# Altium PCB CableNodeRevF Export in PCB ASCII Format.PcbDoc (part 1 of 4)
Units mil, origin at the board's own origin, x right, y up, seen from the top; angles counter-clockwise.
Board outline 3393.33 x 4682.75 mil, 4 copper layers (Top Layer, Internal Plane 1, Internal Plane 2, Bottom Layer); 163 components, 86 nets, 408 pads, 182 vias.
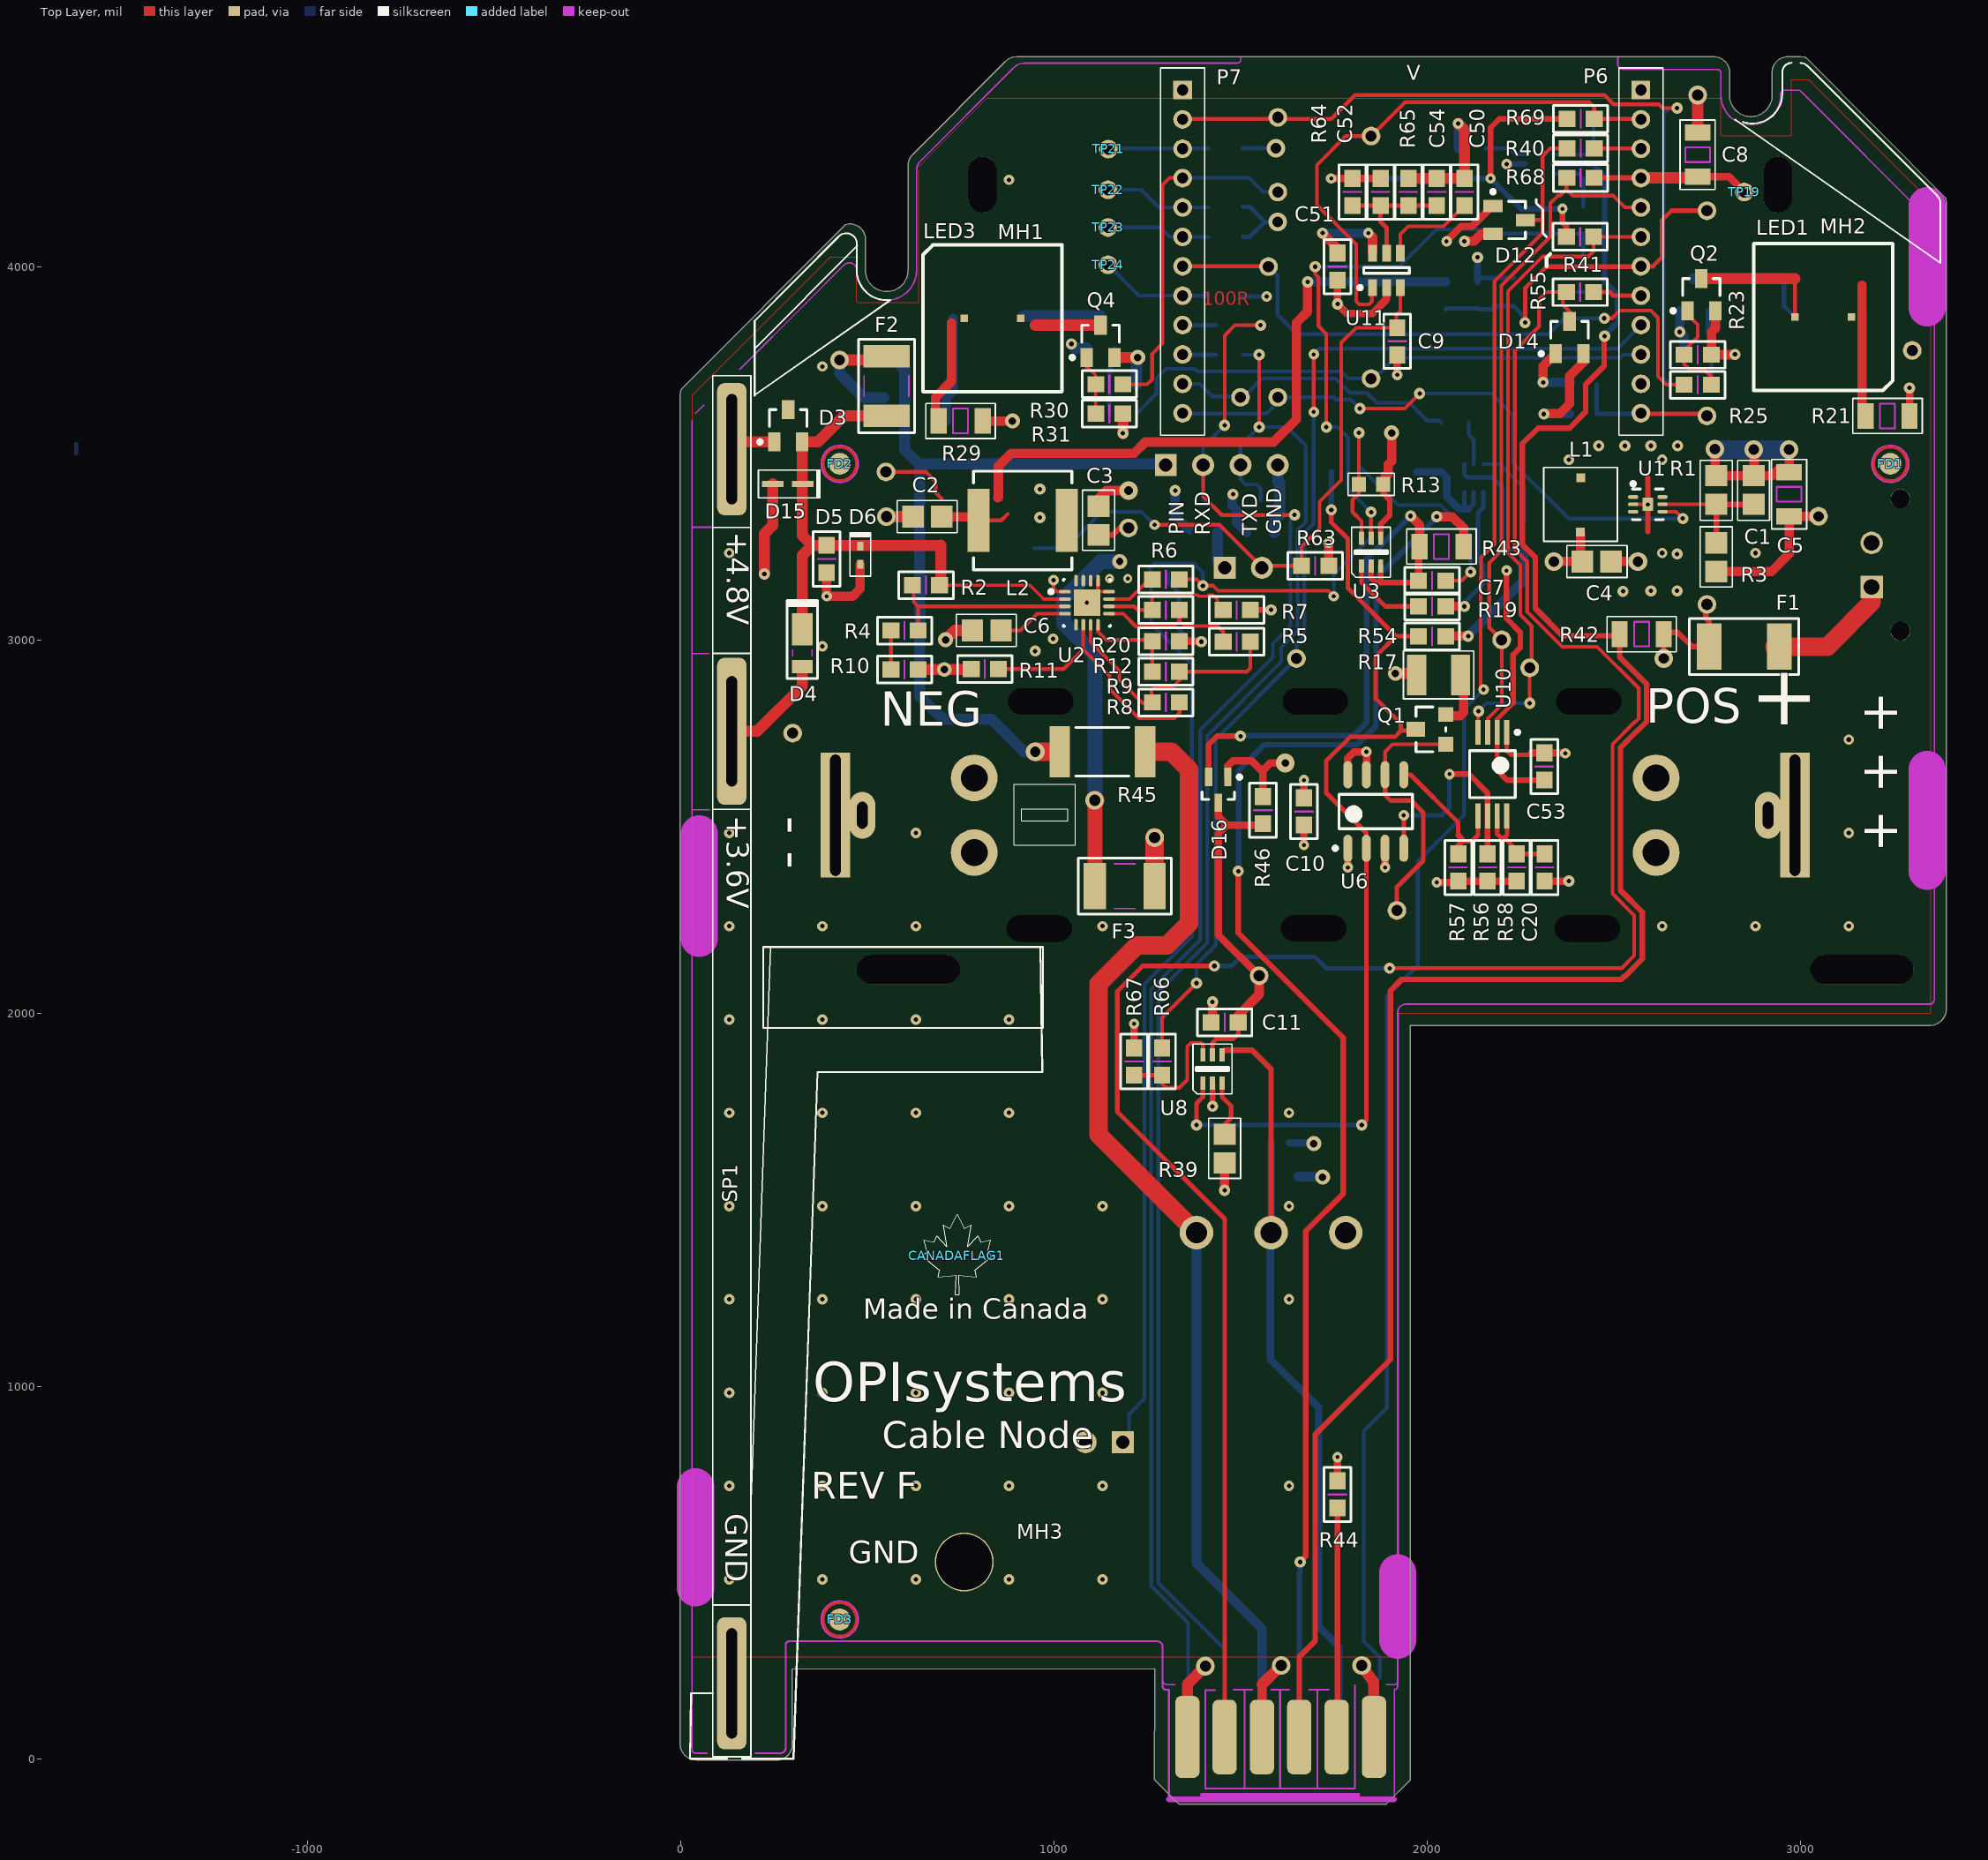
[diagram p0: Top Layer view]
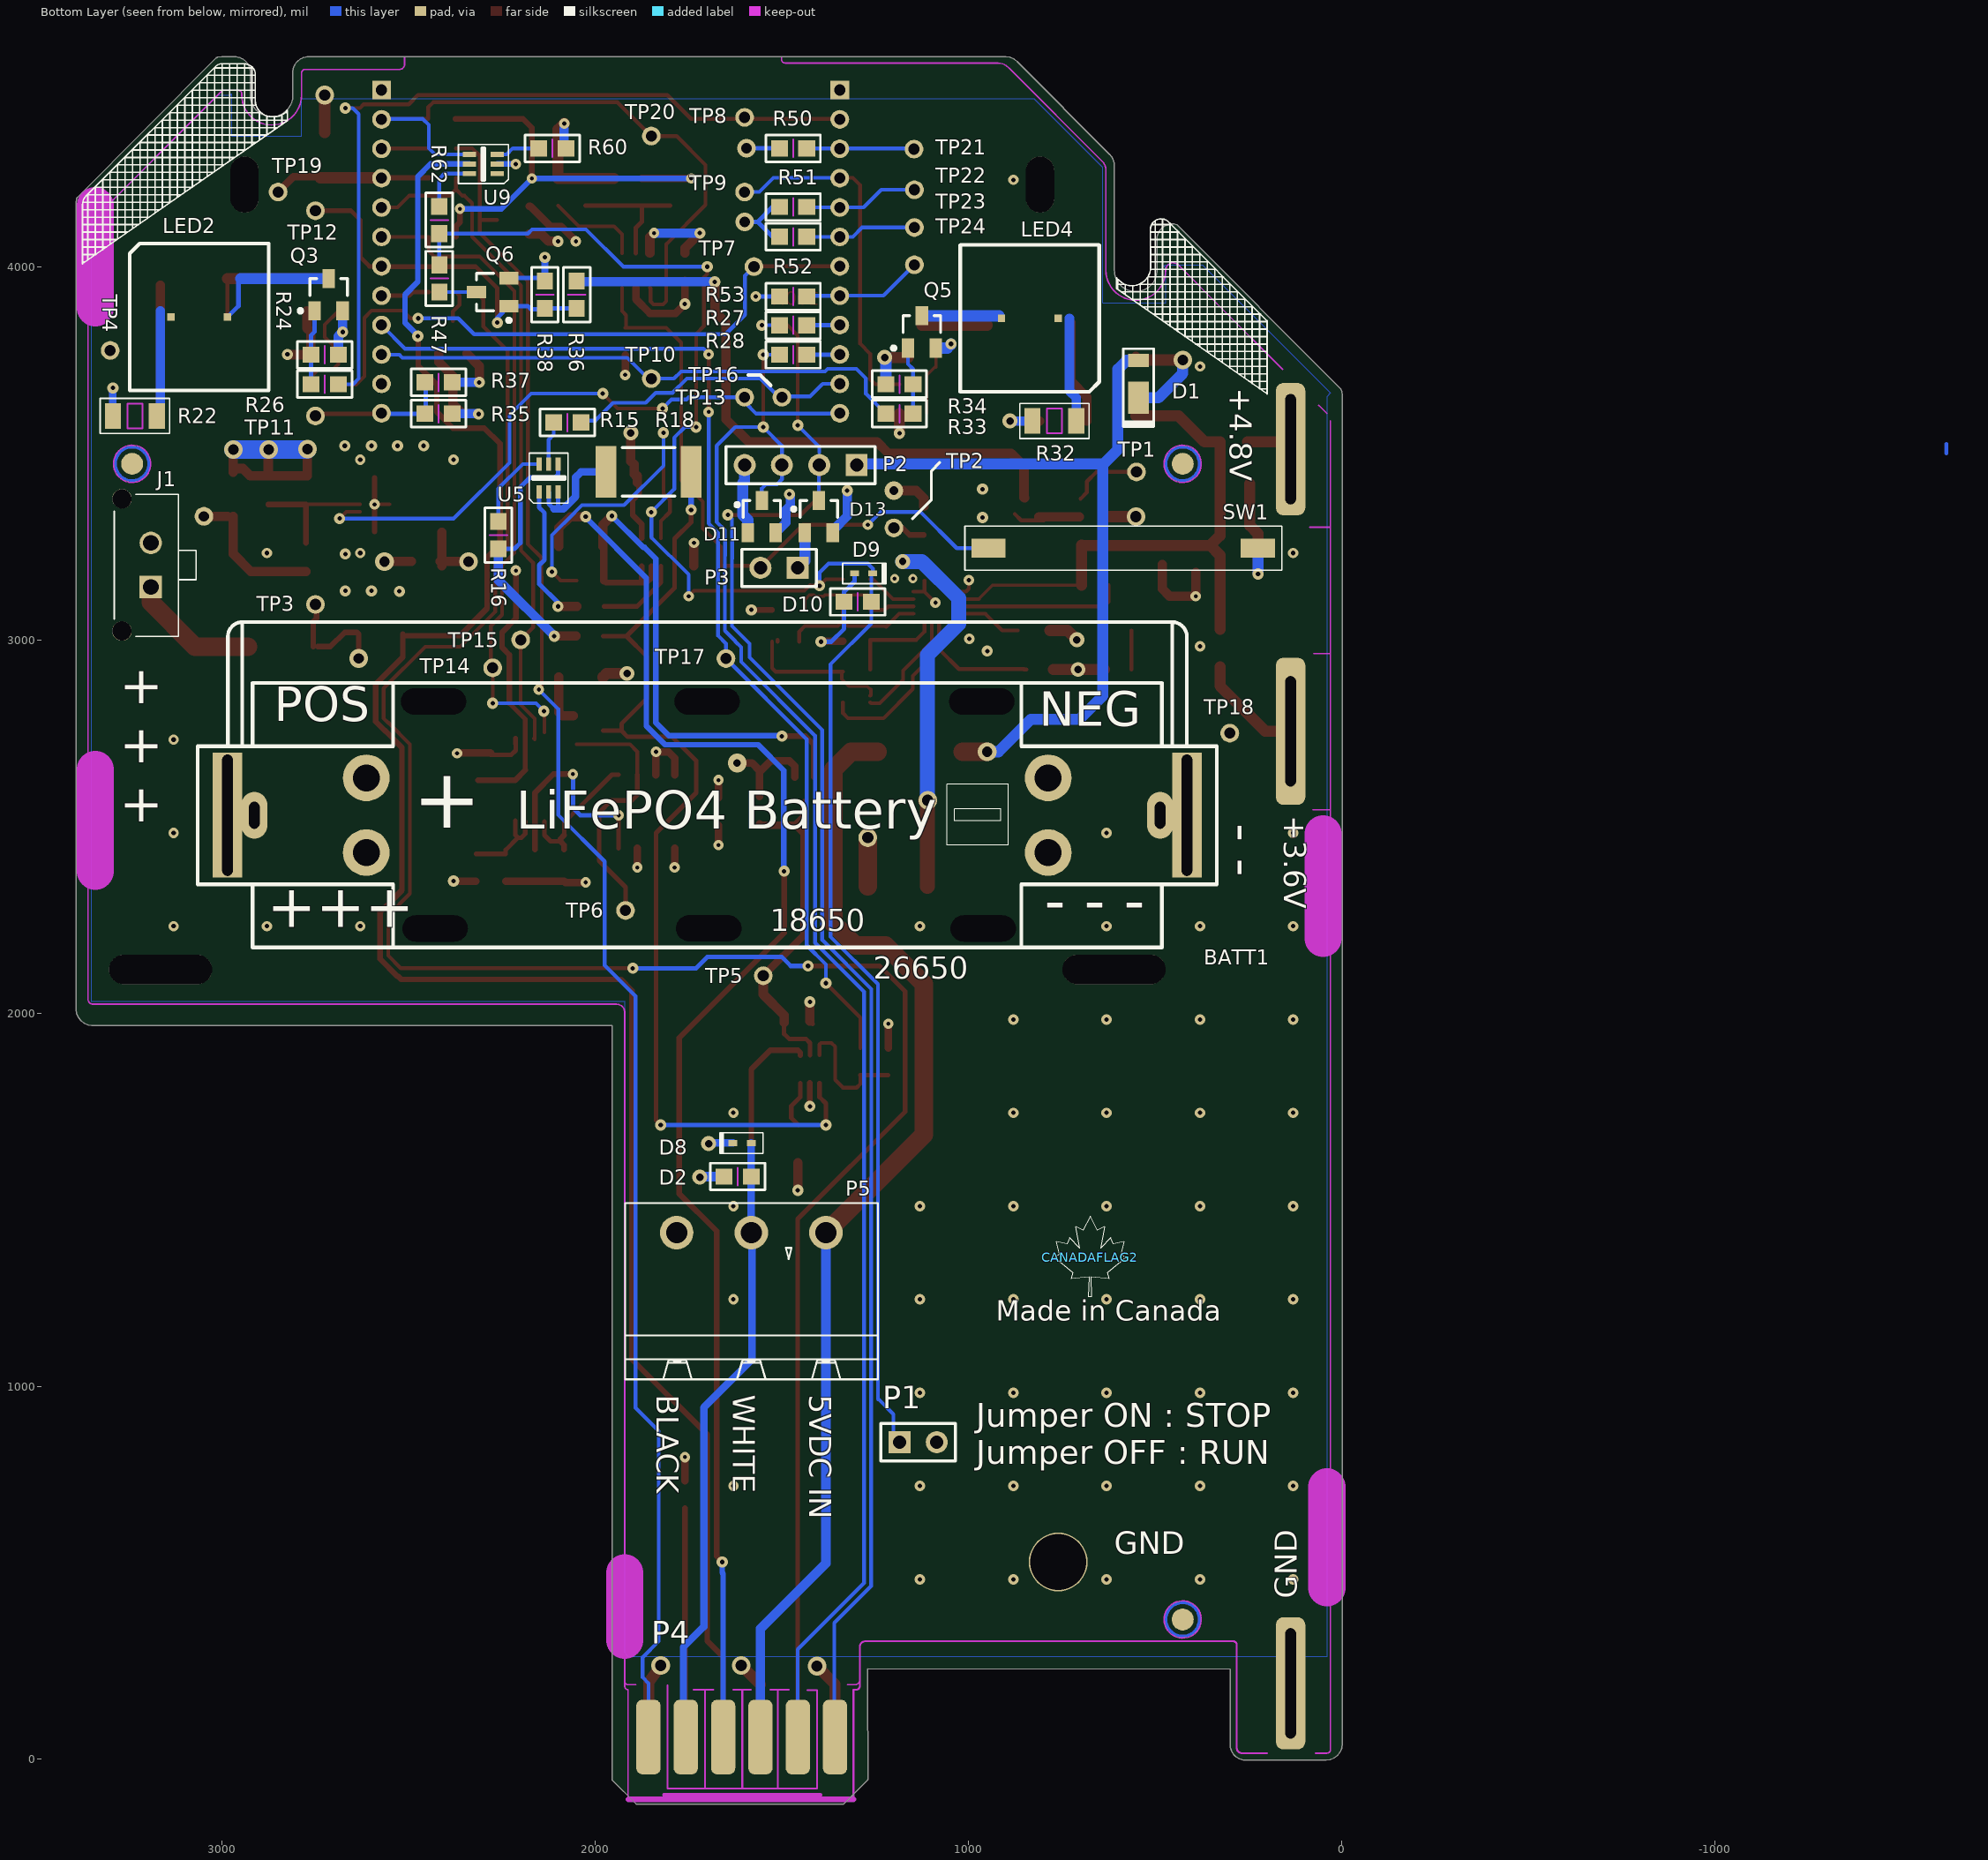
[diagram p1: Bottom Layer view, seen from below]
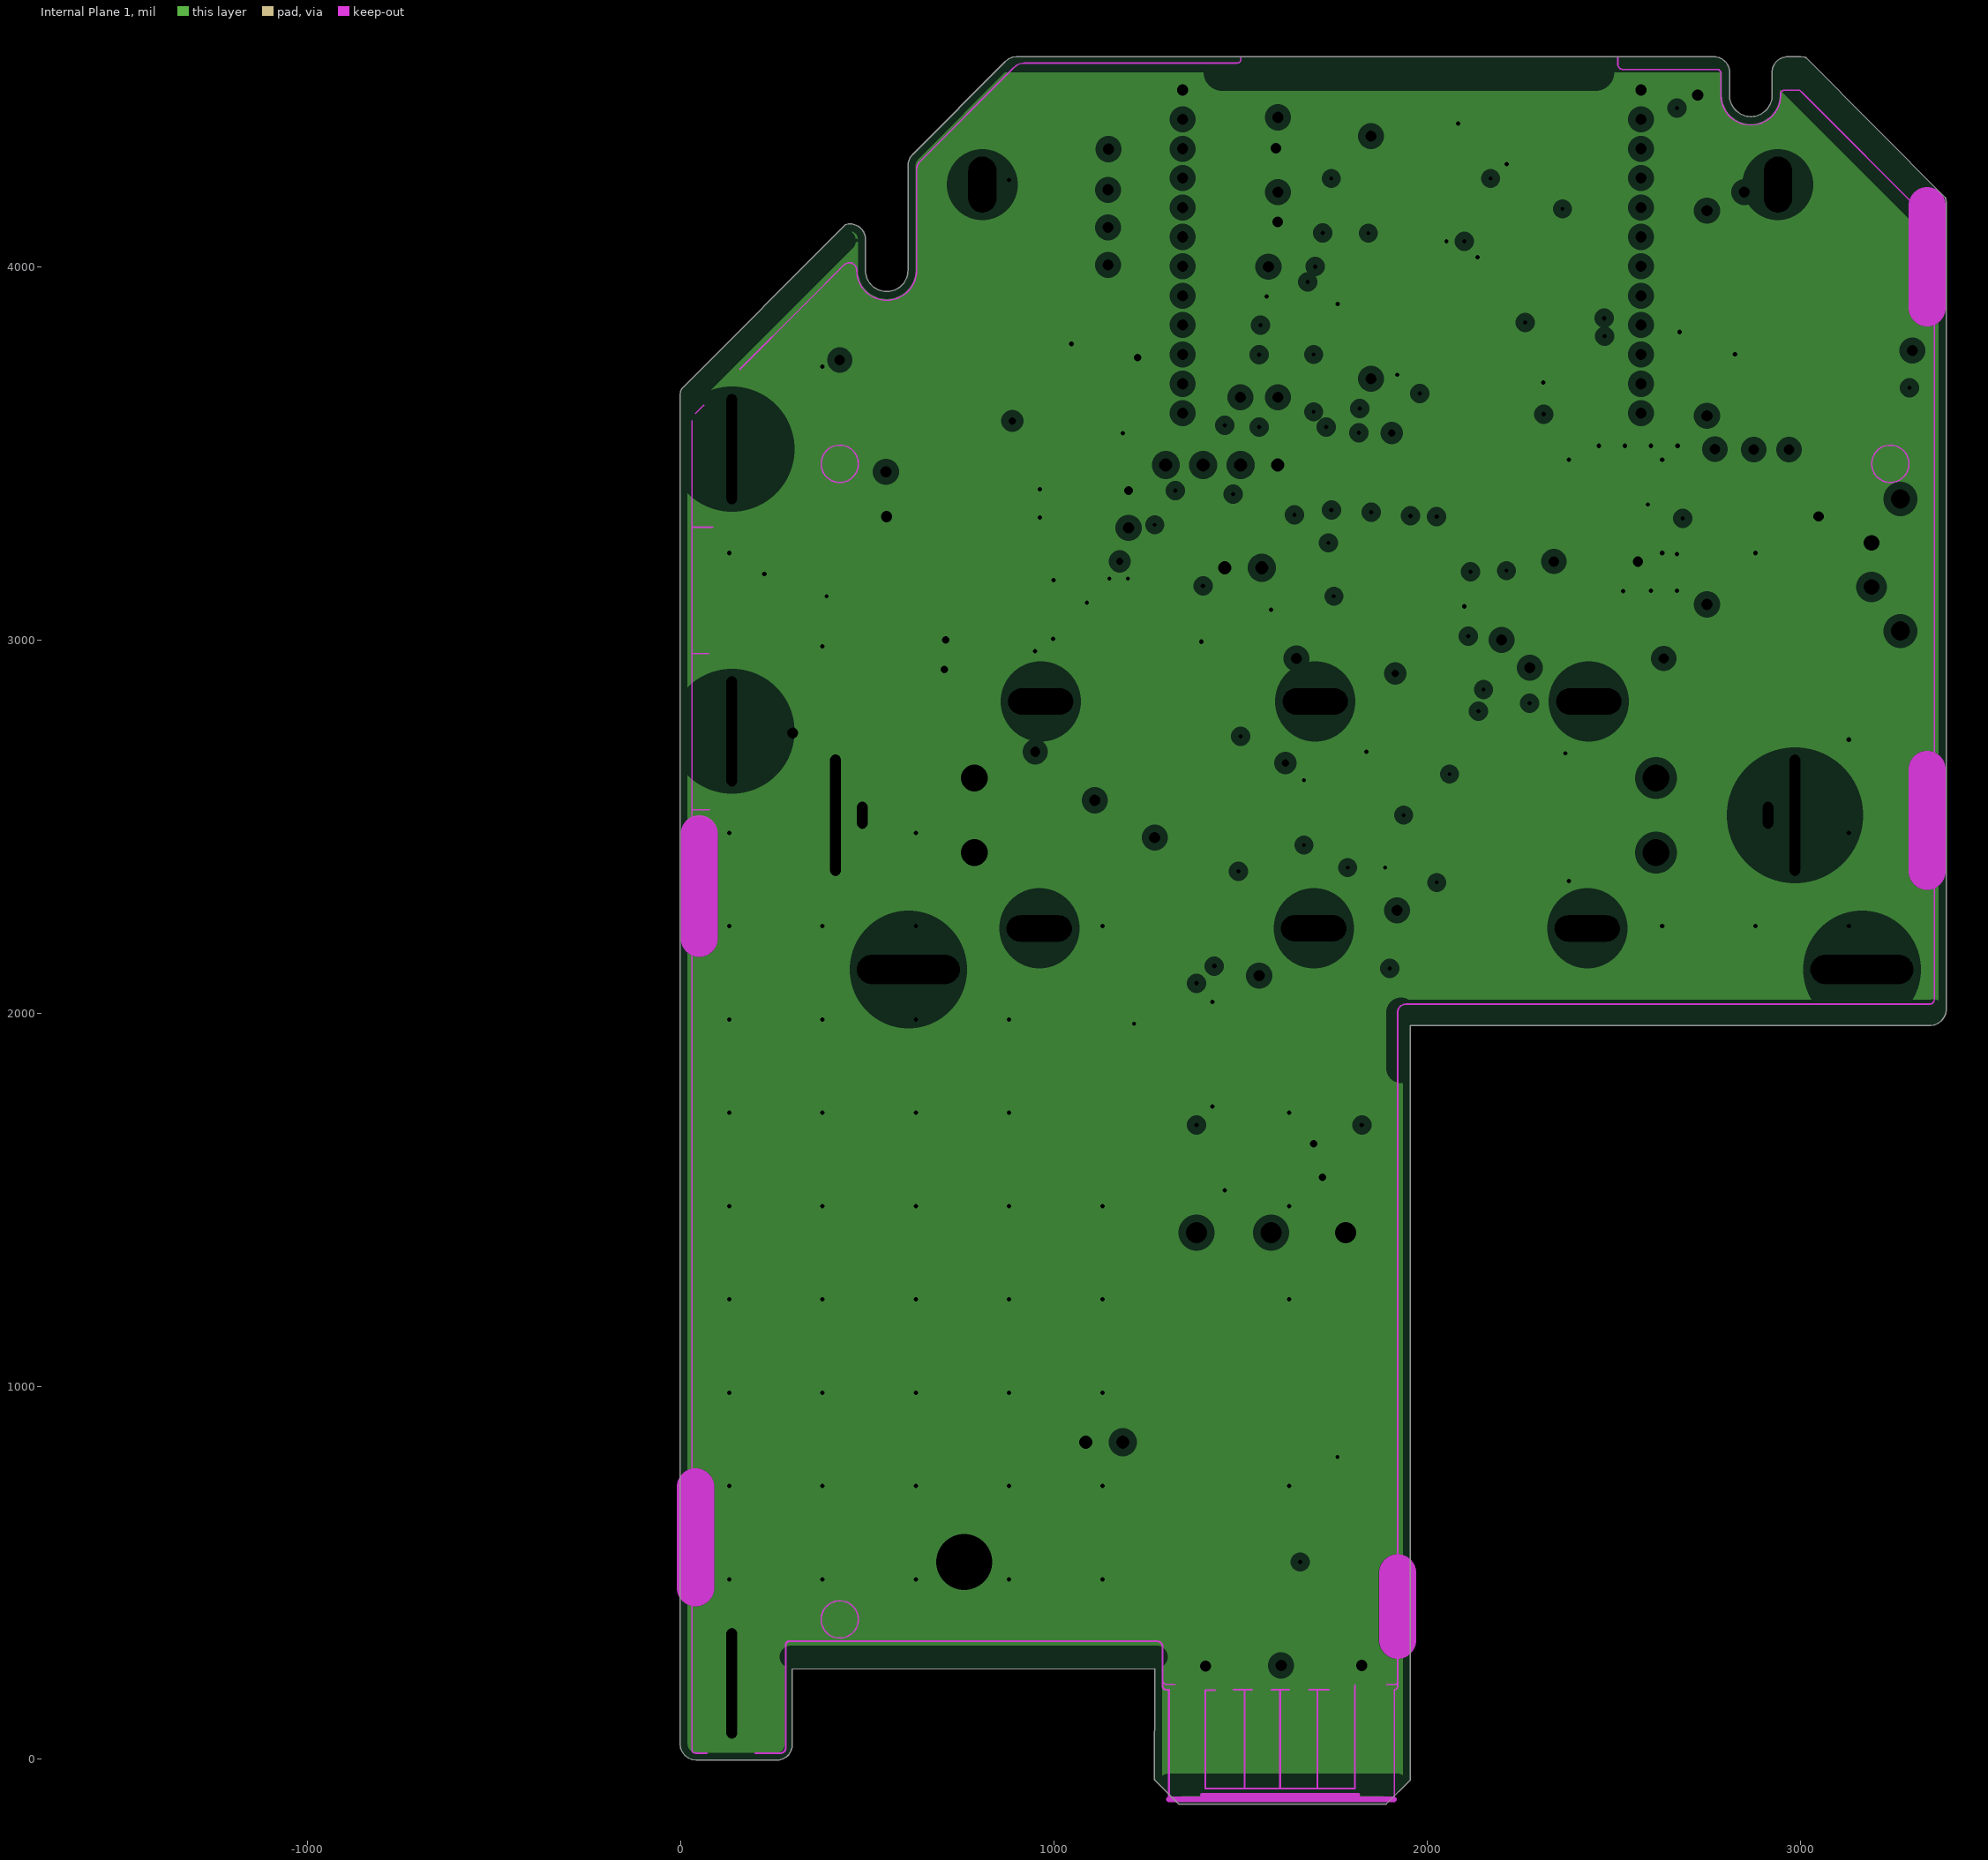
[diagram p2: Internal Plane 1, clearances drawn from the general rule]
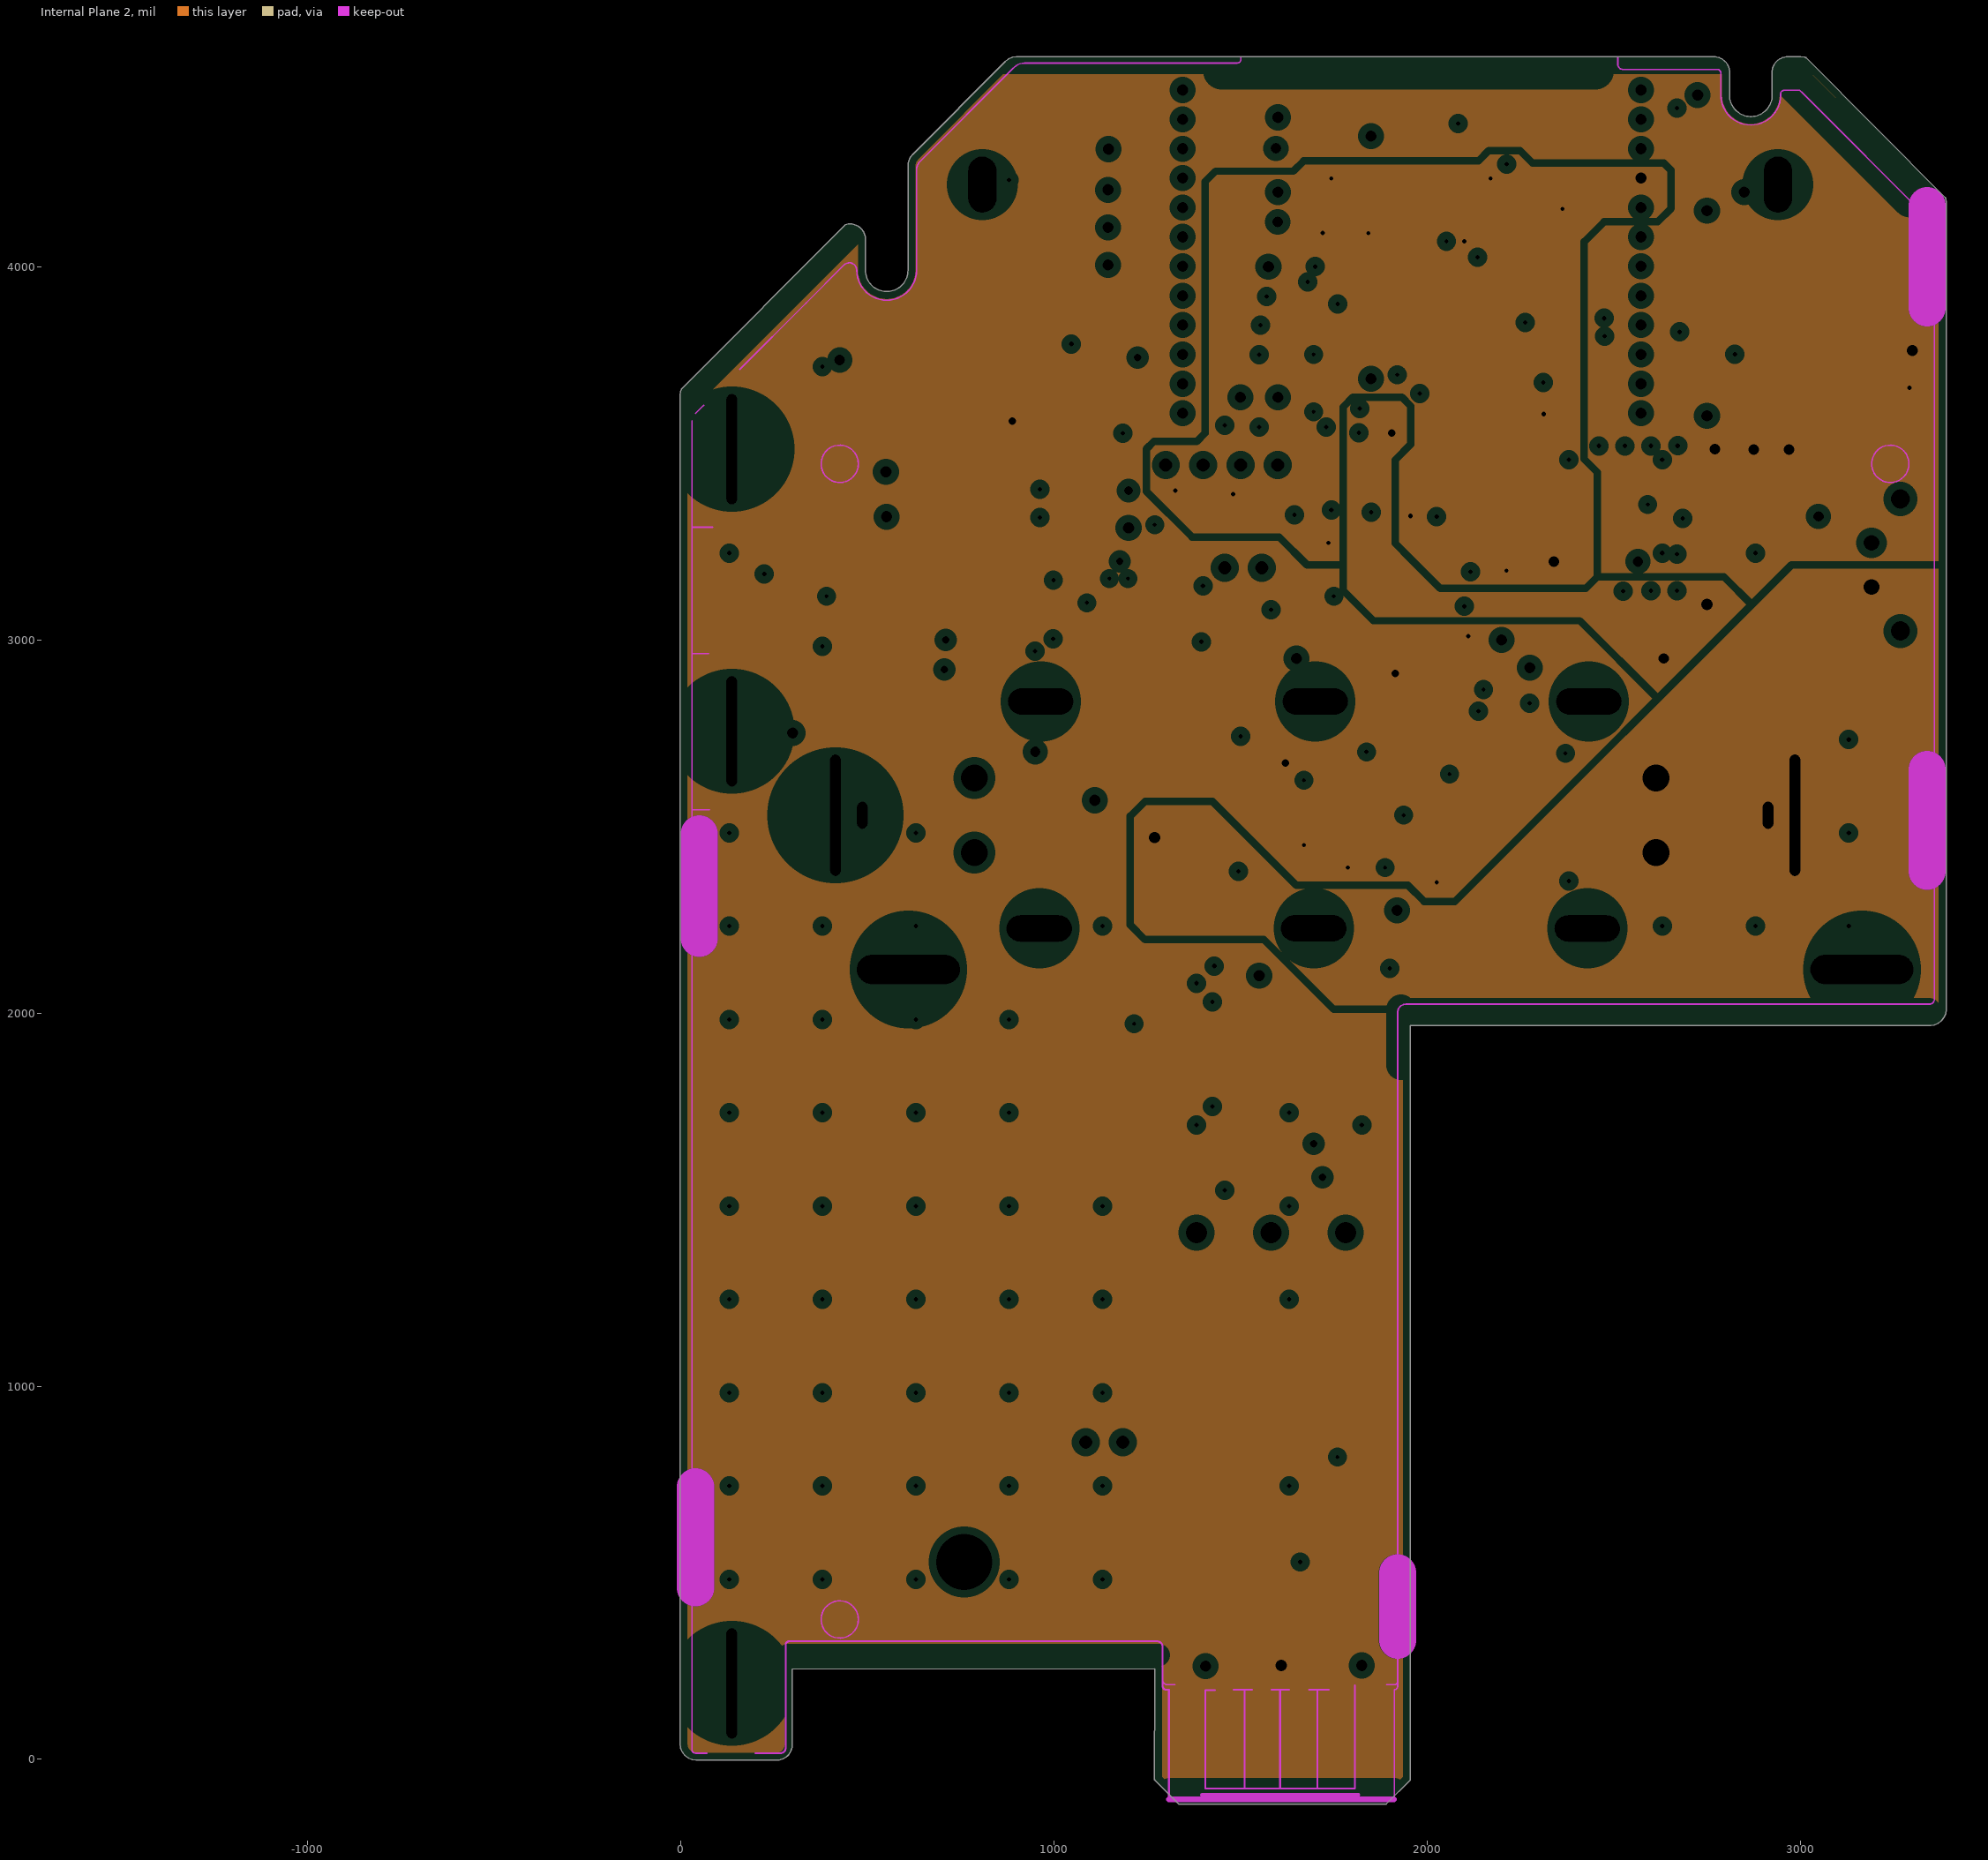
[diagram p3: Internal Plane 2, clearances drawn from the general rule]

## Layer stack, top to bottom
Top Solder: solder mask 0.4, Solder Resist, Dk 3.5
Top Layer: signal copper 1.4
Dielectric1: prepreg 12.6, FR-4, Dk 4.8
Internal Plane 1: plane copper 1.4, net GND
Dielectric2: core 12.6, FR-4, Dk 4.8
Internal Plane 2: plane copper 1.4, net (Multiple Nets)
Dielectric3: prepreg 12.6, FR-4, Dk 4.8
Bottom Layer: signal copper 1.4
Bottom Solder: solder mask 0.4, Solder Resist, Dk 3.5

## Board outline
3.8,20.15 -0.42,30.33 cw(c1.44,31.1) -0.43,30.34 -0.42,30.33 cw(c1.44,31.1) -0.56,30.84 -2,41.78 cw(c0,42.04) -2.02,42.04 -1.65,3655.16 cw(c0.26,3655.8) -1.74,3656.06 -0.47,3665.76 cw(c1.53,3665.49) -0.33,3666.26 -0.33,3666.27 1.58,3670.87 cw(c3.44,3670.11) 1.58,3670.88 cw(c3.44,3670.11) 2.01,3671.53 2.02,3671.53 440.86,4112.27 441.71,4112.78 cw(c453.67,4073.16) 495.06,4073.16 495.06,3990.26 ccw(c552.1,3990.26) 609.14,3990.26 609.14,4270.78 cw(c650.52,4270.78) 621.2,4299.99 cw(c622.63,4298.57) 621.21,4299.99 869.88,4549.85 cw(c871.31,4548.43) 869.89,4549.86 cw(c871.31,4548.43) 870.06,4550.01 870.07,4550.02 878.32,4556.54 cw(c879.57,4554.96) 878.33,4556.54 cw(c879.57,4554.96) 878.8,4556.82 878.81,4556.82 888.98,4561.04 cw(c889.76,4559.18) 889,4561.05 888.99,4561.04 cw(c889.76,4559.18) 889.53,4561.18 899.91,4562.4 cw(c900.15,4560.4) 900.15,4562.42 2769.15,4562.27 cw(c2769.15,4520.89) 2810.53,4520.89 2810.53,4459.27 ccw(c2867.57,4459.27) 2924.61,4459.27 2924.61,4520.89 cw(c2966,4520.89) 2966,4562.27 2999.83,4562.27 cw(c3000.99,4560.62) 3001.25,4562.62 3012.57,4561.13 cw(c3012.31,4559.13) 3014.15,4559.94 cw(c3014.74,4558.01) 3016.17,4559.43 3388.43,4185.01 cw(c3387,4183.59) 3389.01,4183.6 cw(c3387.8,4181.99) 3389.8,4182.25 3391.29,4170.88 cw(c3389.3,4170.62) 3391.31,4170.62 cw(c3389.3,4170.62) 3390.96,4169.48 3390.94,2008.01 cw(c3388.94,2007.8) 3390.96,2007.8 cw(c3388.94,2007.8) 3390.94,2007.53 3389.86,1999.35 cw(c3387.86,1999.61) 3389.72,1998.84 3389.73,1998.85 cw(c3387.86,1999.61) 3389.72,1998.83 3389.72,1998.84 3389.72,1998.83 3385.51,1988.66 cw(c3383.64,1989.42) 3385.5,1988.64 3385.5,1988.65 3385.51,1988.66 3385.5,1988.65 cw(c3383.64,1989.42) 3385.24,1988.19 3378.53,1979.44 cw(c3376.93,1980.67) 3378.15,1979.07 3369.41,1972.36 cw(c3368.18,1973.96) 3368.95,1972.1 3368.96,1972.1 cw(c3368.18,1973.96) 3368.94,1972.09 3368.95,1972.1 3368.94,1972.09 3358.77,1967.88 cw(c3357.99,1969.74) 3358.75,1967.87 3358.76,1967.88 3358.77,1967.88 3358.76,1967.88 cw(c3357.99,1969.74) 3358.25,1967.74 3350.06,1966.66 cw(c3349.8,1968.66) 3349.8,1966.64 1955.08,1966.64 1955.39,-53.93 cw(c1953.38,-54.12) 1955.4,-54.12 cw(c1953.38,-54.12) 1954.81,-55.55 cw(c1953.37,-54.13) 1954.79,-55.57 1954.81,-55.55 1890.82,-119.54 ccw(c1889.4,-118.11) 1890.84,-119.52 1890.83,-119.53 cw(c1889.4,-118.11) 1889.4,-120.12 1335.79,-119.95 cw(c1335.79,-117.94) 1334.36,-119.36 1334.37,-119.37 cw(c1335.79,-117.94) 1334.35,-119.35 1270.34,-55.34 cw(c1271.77,-53.92) 1269.79,-53.51 1270.08,207.49 1269.97,209.27 cw(c1271.98,209.4) 1269.96,209.4 1269.98,243.31 298.86,241.45 298.86,39.37 cw(c257.47,39.37) 257.44,-2.02 cw(c257.47,39.37) 257.44,-2.02 41.7,-2.01 cw(c41.7,0.01) 41.46,-1.99 31.08,-0.77 cw(c31.31,1.23) 30.54,-0.63 30.53,-0.63 20.36,3.59 20.35,3.59 20.34,3.59 ccw(c21.12,5.45) 20.36,3.59 20.35,3.59 cw(c21.12,5.45) 19.9,3.85 11.15,10.57 cw(c12.37,12.17) 10.78,10.94 4.06,19.69 cw(c5.66,20.92)
